# Altium PCB PCB1.PcbDoc (part 1 of 2) (continued)
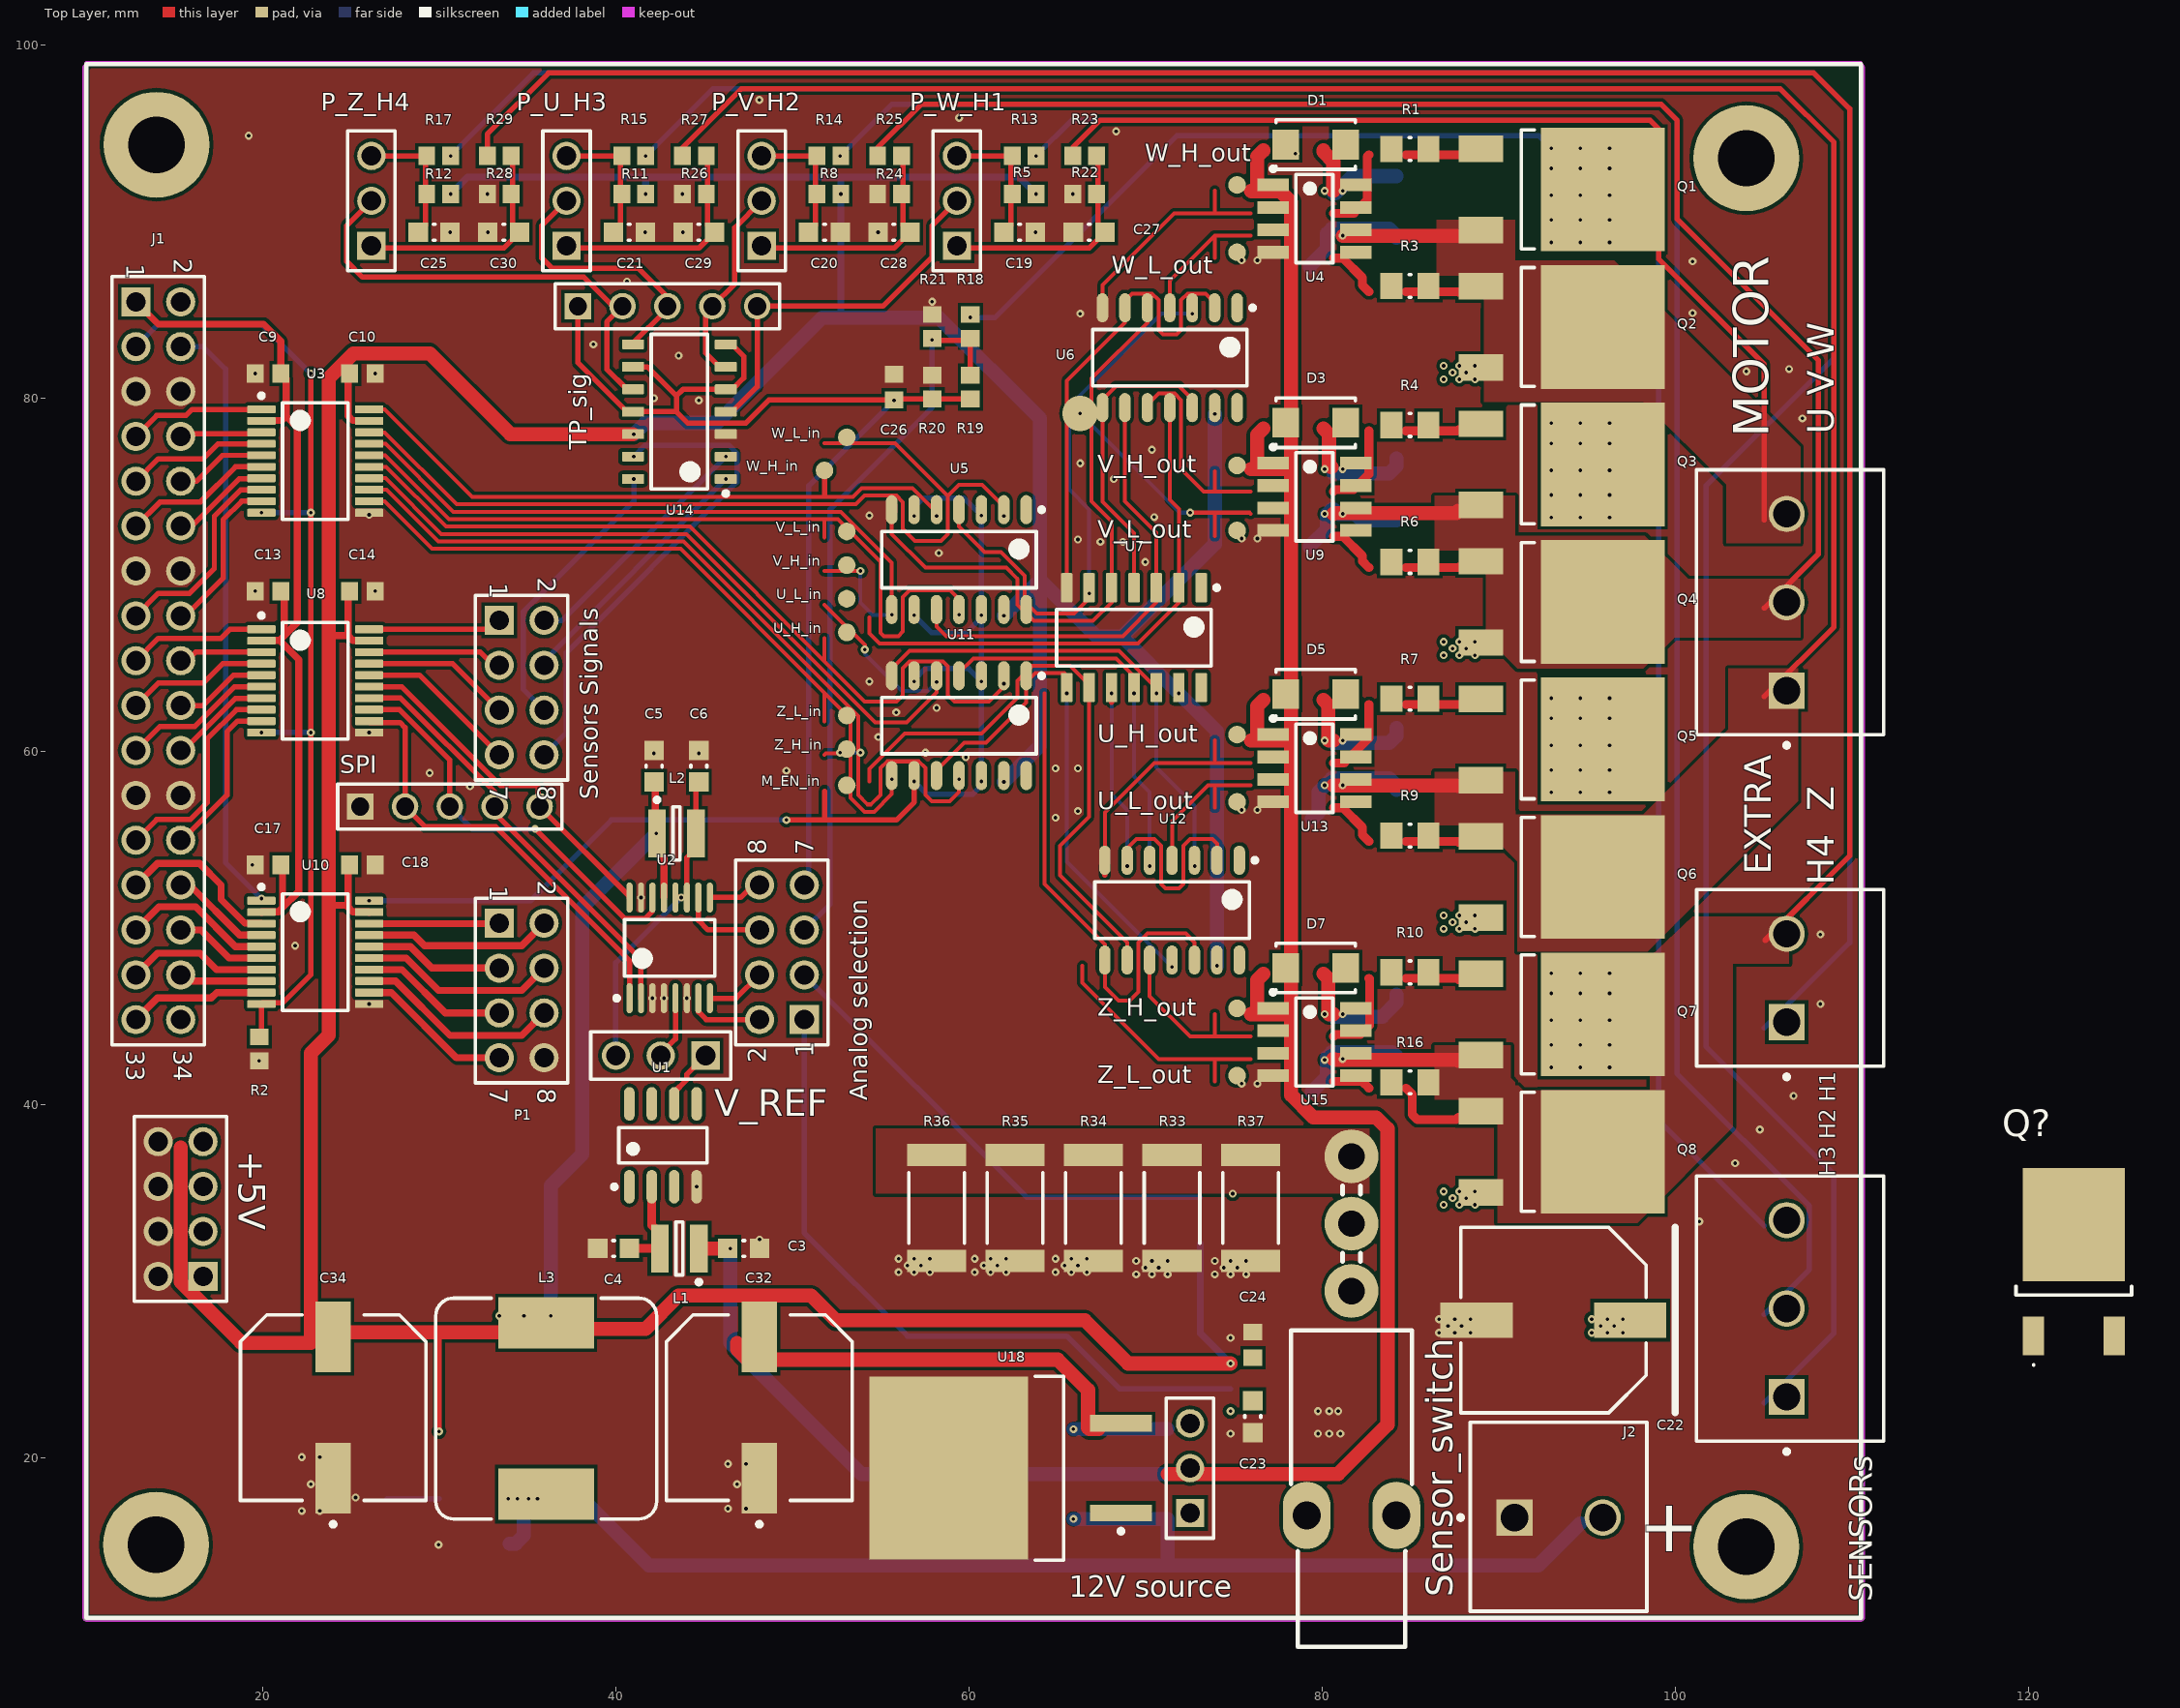
[diagram p0: Top Layer view]
## Components (designator, comment, footprint, x,y, rotation, side; value= is the part's Value field where it differs from the comment) (continued)
SPI "PH2541-5-SPGRH-6-3" PH2541-5-SPGRH-6-3_V 25.527,56.896 r0 top
TP_sig "PH2541-5-SPGRH-6-3" PH2541-5-SPGRH-6-3_V 37.846,85.217 r0 top
U1 "ADR02ARZ-REEL7" ADI-R-8_L 42.672,37.719 r90 top
U2 "AD7323BRUZ" RU-16_N 43.053,48.895 r90 top
U3 "TXS0108EPWR" PW0020A_M 22.987,76.454 r0 top
U4 "IR2101STRPBF" INTR-SOIC-8_V 79.55,90.178 r0 top
U5 "SN74AC08DR" D0014A_M#1 59.43,70.874 r270 top
U6 "SN74AC08DR" D0014A_M#1 71.368,82.304 r270 top
U7 "SN74AC86DR" D0014A_M#2 69.336,66.46 r270 top
U8 "TXS0108EPWR" PW0020A_M 22.987,64.008 r0 top
U9 "IR2101STRPBF" INTR-SOIC-8_V 79.55,74.43 r0 top
U10 "TXS0108EPWR" PW0020A_M 22.987,48.641 r0 top
U11 "SN74AC08DR" D0014A_M#1 59.43,61.476 r270 top
U12 "SN74AC08DR" D0014A_M#1 71.495,51.031 r270 top
U13 "IR2101STRPBF" INTR-SOIC-8_V 79.55,59.063 r0 top
U14 "LM339M/NOPB" D0014A_L 43.603,79.248 r180 top
U15 "IR2101STRPBF" INTR-SOIC-8_V 79.55,43.569 r0 top
U16 "ACS712ELCTR-05B-T" ALEG-LC-8_V 78.861,23.63 r270 bottom
U17 "INA1x9" DIOD-SOT23-5_V 75.305,33.79 r270 bottom
U18 "L7812ABD2T-TR" TO-263_L 62.351,19.439 r180 top
U19 "LM2672M-5.0/NOPB" M08A_N 33.649,19.947 r0 bottom
U_H_in "TP-SM-C-100" TP-SM-C-100 53.08,66.752 r90 top
U_H_out "TP-SM-C-100" TP-SM-C-100 75.178,60.968 r90 top
U_L_in "TP-SM-C-100" TP-SM-C-100 53.08,68.657 r90 top
U_L_out "TP-SM-C-100" TP-SM-C-100 75.178,57.158 r90 top
V_H_in "TP-SM-C-100" TP-SM-C-100 53.08,70.562 r90 top
V_H_out "TP-SM-C-100" TP-SM-C-100 75.178,76.208 r90 top
V_L_in "TP-SM-C-100" TP-SM-C-100 53.08,72.467 r90 top
V_L_out "TP-SM-C-100" TP-SM-C-100 75.178,72.525 r90 top
V_REF "61300311121" 61300311121 42.545,42.799 r180 top
W_H_in "TP-SM-C-100" TP-SM-C-100 51.816,75.922 r90 top
W_H_out "TP-SM-C-100" TP-SM-C-100 75.178,92.083 r0 top
W_L_in "TP-SM-C-100" TP-SM-C-100 53.08,77.801 r90 top
W_L_out "TP-SM-C-100" TP-SM-C-100 75.178,88.273 r90 top
Z_H_in "TP-SM-C-100" TP-SM-C-100 53.08,60.148 r90 top
Z_H_out "TP-SM-C-100" TP-SM-C-100 75.178,45.474 r90 top
Z_L_in "TP-SM-C-100" TP-SM-C-100 53.08,62.053 r90 top
Z_L_out "TP-SM-C-100" TP-SM-C-100 75.178,41.664 r90 top

## Footprints (in the part's own frame and the unit in brackets; to place one, negate y for a bottom-side part, rotate by r counter-clockwise, add the part's x,y. Pads: shape width x height; smd on the part's side, far side on the other; paste and mask are expansions set on the pad)
61300311121 [mm] "Pin Header, pitch 2.54 mm, THT, Vertical, single row, 3p"
  rect 1.6x1.6 hole 1.1: 1(-2.54,0)
  round 1.6 hole 1.1: 2(0,0) 3(2.54,0)
  silkscreen extent -3.96,-1.35 3.96,1.35, body extent -3.81,-1.27 3.81,1.27, height 8.57
61300821121 [mm] "Pin Header, pitch 2.54 mm, THT, Vertical, dual row, 8p"
  rect 1.65x1.65 hole 1.1: 1(-3.81,-1.27)
  round 1.65 hole 1.1: 2(-3.81,1.27) 3(-1.27,-1.27) 4(-1.27,1.27) 5(1.27,-1.27) 6(1.27,1.27) 7(3.81,-1.27) 8(3.81,1.27)
  silkscreen extent -5.23,-2.62 5.23,2.62, body extent -5.08,-2.54 5.08,2.54, height 8.59
61303421121 [mm] "Pin Header, pitch 2.54 mm, THT, Vertical, dual row, 34p"
  rect 1.65x1.65 hole 1.1: 1(-20.32,-1.27)
  round 1.65 hole 1.1: 2(-20.32,1.27) 3(-17.78,-1.27) 4(-17.78,1.27) 5(-15.24,-1.27) 6(-15.24,1.27) 7(-12.7,-1.27) 8(-12.7,1.27) 9(-10.16,-1.27) 10(-10.16,1.27) 11(-7.62,-1.27) 12(-7.62,1.27) 13(-5.08,-1.27) 14(-5.08,1.27) 15(-2.54,-1.27) 16(-2.54,1.27) 17(0,-1.27) 18(0,1.27) 19(2.54,-1.27) 20(2.54,1.27) 21(5.08,-1.27) 22(5.08,1.27) 23(7.62,-1.27) 24(7.62,1.27) 25(10.16,-1.27) 26(10.16,1.27) 27(12.7,-1.27) 28(12.7,1.27) 29(15.24,-1.27) 30(15.24,1.27) 31(17.78,-1.27) 32(17.78,1.27) 33(20.32,-1.27) 34(20.32,1.27)
  silkscreen extent -21.74,-2.62 21.74,2.62, body extent -21.59,-2.54 21.59,2.54, height 8.59
ADI-R-8_L [mm] "SOIC, 8-Leads, Body 4.9x3.9mm, Pitch 1.27mm, IPC High Density"
  oval 1.9x0.6 smd: 1(-2.35,1.905) 2(-2.35,0.635) 3(-2.35,-0.635) 4(-2.35,-1.905) 5(2.35,-1.905) 6(2.35,-0.635) 7(2.35,0.635) 8(2.35,1.905)
  silkscreen extent -2.47,-2.5 1,2.88, body extent -2,-2.5 2,2.5, height 1.75
ALEG-LC-8_V [mm] "SOIC, 8-Leads, Body 4.9x3.9mm, Pitch 1.27mm"
  rect 0.65x1.75 smd: 1(-1.905,-2.8) 2(-0.635,-2.8) 3(0.635,-2.8) 4(1.905,-2.8) 5(1.905,2.8) 6(0.635,2.8) 7(-0.635,2.8) 8(-1.905,2.8)
  silkscreen extent -2.9,-2.93 2.45,1.53, body extent -2.45,-1.95 2.45,1.95, height 1.75
BOUR-SRN3015-2_V [mm] "SMD, 2-Leads, Body 3x3mm, Height 1.5mm"
  rect 1x2.7 smd: 1(-1.1,0) 2(1.1,0)
  silkscreen extent -1.23,-1.5 0.2,2.02, body extent -1.5,-1.5 1.5,1.5, height 1.5
BOUR-SRR1280-2_V [mm] "SMD, 2-Leads, Body 12.5x12.5mm"
  rect 2.9x5.4 smd: 1(-4.85,0) 2(4.85,0)
  silkscreen extent -6.25,-6.25 6.25,6.25, body extent -6.25,-6.25 6.25,6.25, height 7.51
CAPC0603(1608)55_M [mm] "Chip Capacitor, Body 1.6x0.8mm, Height 0.55mm, IPC Low Density"
  rect 1.1x1.1 smd: 1(-0.9,0) 2(0.9,0)
  silkscreen extent -0.05,-0.45 0.05,0.45, body extent -0.87,-0.47 0.88,0.48, height 0.55
CAPC0603(1608)100_M [mm] "Chip Capacitor, Body 1.6x0.8mm, Height 1.0mm, IPC Low Density"
  rect 1.1x1.1 smd: 1(-0.9,0) 2(0.9,0)
  silkscreen extent -0.05,-0.45 0.05,0.45, body extent -0.87,-0.47 0.88,0.48, height 1
CAPC0805(2012)145_M [mm] "Chip Capacitor, Body 2.0x1.2mm, Height 1.45mm, IPC Low Density"
  rect 1.35x1.55 smd: 1(-1,0) 2(1,0)
  silkscreen extent -0.05,-0.67 0.05,0.67, body extent -1.1,-0.72 1.1,0.72, height 1.45
CAPC1608X90X35ML10T15 [mm] "Chip Capacitor, 2-Leads, Body 1.7x0.9mm, IPC Low Density"
  rect 0.95x1.05 smd: 1(-0.725,0) 2(0.725,0)
  body extent -0.85,-0.45 0.85,0.45, height 0.9
CXKF-KF129C-2_V [mm] "Terminal Block, Pitch 5mm, 1x2 Position, Height 19.2mm, Tail Length 3.5mm"
  rect 2.05x2.05 hole 1.55: 1(0,0)
  round 2.05 hole 1.55: 2(5,0)
  silkscreen extent -3.17,-5.3 7.5,5.4, body extent -2.5,-5.3 7.5,5.4, height 19.2
D0014A_L [mm] "SOIC, 14-Leads, Body 8.75x4mm, Pitch 1.27mm, IPC High Density"
  rrect18% 1.25x0.55 smd: 1(-2.625,3.81) 2(-2.625,2.54) 3(-2.625,1.27) 4(-2.625,0) 5(-2.625,-1.27) 6(-2.625,-2.54) 7(-2.625,-3.81) 8(2.625,-3.81) 9(2.625,-2.54) 10(2.625,-1.27) 11(2.625,0) 12(2.625,1.27) 13(2.625,2.54) 14(2.625,3.81)
  silkscreen extent -2.75,-4.38 1.6,4.76, body extent -3.02,-4.32 3.02,4.32, height 1.59
D0014A_M#1 [mm] "SOIC, 14-Leads, Body 8.75x4mm, Pitch 1.27mm, IPC Low Density"
  oval 1.65x0.65 smd: 1(-2.825,3.81) 2(-2.825,2.54) 3(-2.825,1.27) 4(-2.825,0) 5(-2.825,-1.27) 6(-2.825,-2.54) 7(-2.825,-3.81) 8(2.825,-3.81) 9(2.825,-2.54) 10(2.825,-1.27) 11(2.825,0) 12(2.825,1.27) 13(2.825,2.54) 14(2.825,3.81)
  silkscreen extent -2.95,-4.38 1.6,4.81, body extent -3.02,-4.32 3.02,4.32, height 1.59
D0014A_M#2 [mm] "SOIC, 14-Leads, Body 8.75x4mm, Pitch 1.27mm, IPC Low Density"
  rrect15% 1.65x0.65 smd: 1(-2.825,3.81) 2(-2.825,2.54) 3(-2.825,1.27) 4(-2.825,0) 5(-2.825,-1.27) 6(-2.825,-2.54) 7(-2.825,-3.81) 8(2.825,-3.81) 9(2.825,-2.54) 10(2.825,-1.27) 11(2.825,0) 12(2.825,1.27) 13(2.825,2.54) 14(2.825,3.81)
  silkscreen extent -2.95,-4.38 1.6,4.81, body extent -3.02,-4.32 3.02,4.32, height 1.59
DIOD-SMA-2_V [mm] "Molded Diode, 2-Leads, Body 4.6x2.92mm"
  rect 2.5x1.7 smd: 1(-2,0) 2(2,0)
  silkscreen extent -2.3,-1.5 3.75,1.5, body extent -2.52,-1.46 2.52,1.46, height 2.4
DIOD-SOT23-5_V [mm] "SOT23, 5-Leads, Body 3.1x1.7mm, Pitch 0.95mm"
  rect 1x0.7 smd: 1(-1.3,0.95) 2(-1.3,0) 3(-1.3,-0.95) 4(1.3,-0.95) 5(1.3,0.95)
  silkscreen extent -1.42,-1.55 0.4,1.97, body extent -1.5,-1.55 1.5,1.55, height 1.45
FP-C1206C-EB-IPC_A [mm]
  rect 1.505x1.906 smd paste+0 mask+0: 1(-1.501,0) 2(1.501,0)
  silkscreen extent -0.37,-0.8 0.37,0.8, body extent -1.6,-0.8 1.6,0.8, height 0.88
FP-PCR1J101MCL1GS-MFG [mm]
  rect 4x2 smd paste+0 mask+0: 1(-4,0) 2(4,0)
  silkscreen extent -6.72,-5.25 5.25,5.25, body extent -6.25,-5.5 6.25,5.5, height 0.25
FP-PG-TO252-3-MFG [mm]
  rect 1.5x2.5 smd paste+0 mask+0: 1(-2.3,-4.575) 3(2.3,-4.575)
  rect 7x7 smd paste+0 mask+0: 4(0,2.325)
  silkscreen extent -3.36,-2.28 3.36,-1.55, body extent -3.6,-5.92 3.6,5.92, height 0.25
INTR-SOIC-8_V [mm]
  rect 1.78x0.72 smd: 1(-2.34,1.905) 2(-2.34,0.635) 3(-2.34,-0.635) 4(-2.34,-1.905) 5(2.34,-1.905) 6(2.34,-0.635) 7(2.34,0.635) 8(2.34,1.905)
  silkscreen extent -2.46,-2.5 1.05,2.94, body extent -3,-2.5 3,2.5, height 1.75
IRLR2705PBF [mm]
  rect 1.2x2.2 smd: 1(-2.28,-4.2) 3(2.28,-4.2)
  rect 5.8x6.4 smd: 2(0,2.1)
  silkscreen extent -3.27,-5.89 3.27,-1.39
M08A_N [mm] "SOIC, 8-Leads, Body 4.9x3.9mm, Pitch 1.27mm, IPC Medium Density"
  oval 2.2x0.6 smd: 1(-2.4,1.905) 2(-2.4,0.635) 3(-2.4,-0.635) 4(-2.4,-1.905) 5(2.4,-1.905) 6(2.4,-0.635) 7(2.4,0.635) 8(2.4,1.905)
  silkscreen extent -2.52,-2.5 0.9,2.88, body extent -2,-2.5 2,2.5, height 1.75
PH2541-5-SPGRH-6-3_V [mm] "Male Header, Pitch 2.54mm, 5x1 Position, Mated Height 6mm, Tail Length 3mm"
  rect 1.5x1.5 hole 1.02: 1(0,0)
  round 1.5 hole 1.02: 2(2.54,0) 3(5.08,0) 4(7.62,0) 5(10.16,0)
  silkscreen extent -1.27,-1.27 11.43,1.27, body extent -1.27,-1.24 11.43,1.27, height 8.35
PNSC-FP-V-G_V [mm] "CAPAE, 2-Leads, Body 10.50x10.50mm"
  rect 4.1x2 smd: 1(-4.35,0) 2(4.35,0)
  silkscreen extent -6.9,-5.25 5.25,5.25, body extent -6,-5.25 6,5.25, height 10.5
PNSC-FT-V-43x43-2_V [mm] "SMD, 2-Leads, Body 4.3x4.3mm, Height 6.1mm"
  rect 1.6x2.5 smd: 1(0,1.75) 2(0,-1.75)
  silkscreen extent -2.15,-2.15 2.15,2.15, body extent -2.15,-2.3 2.15,2.3, height 6.1
PW0020A_M [mm] "SOP, 20-Leads, Body 6.6x4.5mm, Pitch 0.65mm, IPC Low Density"
  rrect22% 1.6x0.45 smd: 1(-3.05,2.925) 2(-3.05,2.275) 3(-3.05,1.625) 4(-3.05,0.975) 5(-3.05,0.325) 6(-3.05,-0.325) 7(-3.05,-0.975) 8(-3.05,-1.625) 9(-3.05,-2.275) 10(-3.05,-2.925) 11(3.05,-2.925) 12(3.05,-2.275) 13(3.05,-1.625) 14(3.05,-0.975) 15(3.05,-0.325) 16(3.05,0.325) 17(3.05,0.975) 18(3.05,1.625) 19(3.05,2.275) 20(3.05,2.925)
  silkscreen extent -3.17,-3.3 1.85,3.82, body extent -3.21,-3.25 3.21,3.25, height 1
RESC0805(2012)_M [mm] "Chip Resistor, Body 2.0x1.3mm, IPC Low Density"
  rect 1.25x1.5 smd: 1(-1.05,0) 2(1.05,0)
  silkscreen extent -0.05,-0.65 0.05,0.65, body extent -1.1,-0.67 1.1,0.67, height 0.7
RESC1608X55X30ML15T20 [mm] "Chip Resistor, 2-Leads, Body 1.7x0.95mm, IPC Low Density"
  rect 0.95x1.05 smd: 1(-0.675,0) 2(0.675,0)
  body extent -0.85,-0.48 0.85,0.48, height 0.55
RESC2512(6432)_N [mm] "Chip Resistor, Body 6.4x3.2mm, IPC Medium Density"
  rect 1.25x3.35 smd: 1(-3,0) 2(3,0)
  silkscreen extent -2,-1.57 2,1.58, body extent -3.25,-1.7 3.25,1.7, height 0.75
RU-16_N [mm] "TSOP, 16-Leads, Body 5x4.4mm, Pitch 0.65mm, IPC Medium Density"
  oval 1.7x0.35 smd: 1(-2.85,2.275) 2(-2.85,1.625) 3(-2.85,0.975) 4(-2.85,0.325) 5(-2.85,-0.325) 6(-2.85,-0.975) 7(-2.85,-1.625) 8(-2.85,-2.275) 9(2.85,-2.275) 10(2.85,-1.625) 11(2.85,-0.975) 12(2.85,-0.325) 13(2.85,0.325) 14(2.85,0.975) 15(2.85,1.625) 16(2.85,2.275)
  silkscreen extent -2.97,-2.55 1.6,3.12, body extent -2.25,-2.55 2.25,2.55, height 1.2
SALE-T8019L-5_V [mm] "Toggle Switch, 3 Leads, Vertical Right Angle"
  round 3.048 hole 1.5: 1(0,20.142) 2(0,23.952) 3(0,27.762)
  oval 2.7x3.81 hole 1.6: S1(2.54,7.442) S2(-2.54,7.442)
  silkscreen extent -3.43,0 3.43,26.11, body extent -3.5,-8.38 3.5,28.01, height 13
SCREW-5.0-2WAYS_V [mm] "Socket, Screw Terminal Block, 2-Leads, Pitch 5mm, 90 Degree Angle, Through-Hole"
  rect 2.05x2.05 hole 1.55: 1(-2.5,0)
  round 2.05 hole 1.55: 2(2.5,0)
  silkscreen extent -5.72,-5.5 5,5.1, body extent -5,-5.5 5.02,5.1, height 18.2
SCREW-5.0-3WAYS_V [mm] "Socket, Screw Terminal Block, 3-Leads, Pitch 5mm, 90 Degree Angle, Through-Hole"
  rect 2.05x2.05 hole 1.55: 1(-5,0)
  round 2.05 hole 1.55: 2(0,0) 3(5,0)
  silkscreen extent -8.22,-5.5 7.5,5.1, body extent -7.5,-5.5 7.5,5.1, height 18.2
TO-263_L [mm] "D2-PAK, 4-Leads, Body 9.2x10.2mm, Pitch 2.54mm, Lead Span 15.4mm, IPC High Density"
  rect 3.5x0.95 smd: 1(-6.25,2.54) 3(-6.25,-2.54)
  rect 9x10.35 smd: 4(3.5,0)
  silkscreen extent -6.38,-5.2 -1.4,5.2, body extent -3,-5.2 6.35,5.2, height 4.6
TP-SM-C-100 [mm] "Test Point, Surface Mounting, Circular, Pad Diameter 1mm"
  round 1 smd: 1(0,0)
VISH-DO-214AC_V [mm]
  rect 1.52x1.68 smd: 1(-1.7,0) 2(1.7,0)
  silkscreen extent -2.25,-1.4 2.25,1.4, body extent -2.47,-1.4 2.47,1.4, height 2.29

## Part data
"12V source" P_U_H3 P_V_H2 P_W_H1 P_Z_H4 V_REF: library part CMP-1502-01062-1, "THT Vertical Pin Header WR-PHD, Pitch 2.54 mm, Single Row, 3 pins", Contact Resistance=20mOhm, Manufacturer="Wurth Elektronik", Operating Temperature=-40to105degC, Rated Current=3A, Withstanding Voltage=500VAC, Working Voltage=250VAC, Datasheet URL=https://katalog.we-online.de/em/datasheet/6130xx11121.pdf, Gender=Male, Manufacturer URL=http://www.we-online.de, Mounting Technology=THT, Orientation=Vertical, Package Reference=61300311121, Packaging=Bag, Part Number=61300311121, Pin Number=3, Pitch=2.54mm, Publisher=WurthElektronik, Row Number=Single
+5V "Analog selection" P1 "Sensors Signals": library part CMP-1502-01078-1, "THT Vertical Pin Header WR-PHD, Pitch 2.54 mm, Dual Row, 8 pins", Contact Resistance=20mOhm, Manufacturer="Wurth Elektronik", Operating Temperature=-40to105degC, Rated Current=3A, Withstanding Voltage=500VAC, Working Voltage=250VAC, Datasheet URL=https://katalog.we-online.de/em/datasheet/6130xx21121.pdf, Gender=Male, Manufacturer URL=http://www.we-online.de, Mounting Technology=THT, Orientation=Vertical, Package Reference=61300821121, Packaging=Bag, Part Number=61300821121, Pin Number=8, Pitch=2.54mm, Publisher=WurthElektronik, Row Number=Dual
C1 C7 C11 C15: library part CMP-0744-00004-1, "Aluminum Electrolytic Capacitor, 22 uF +/- 20%, 25 V, -55 to 105 degC, 2-Pin 4.3 x 4.3 x 6.1 mm SMD, RoHS, Tape and Reel", Capacitance="22 uF", Capacitance Tolerance="+/- 20%", Manufacturer=Panasonic, Rated Voltage="25 V", Ripple Current="160 mA", Temp. Range="-55 to 105 degC", ComponentLink1Description="Manufacturer URL", ComponentLink1URL=http://www.panasonic.com/industrial/electronic-components/, ComponentLink2Description=Datasheet, ComponentLink2URL=http://industrial.panasonic.com/www-data/pdf/ABA0000/ABA0000CE135.pdf, ComponentLink3Description="Package Specification", ComponentLink3URL=http://industrial.panasonic.com/www-data/pdf/ABA0000/ABA0000PE248.pdf, DatasheetVersion=Mar-14, Mounting Technology="Surface Mount", PackageDescription="2-Pin SMD, Body 4.3 x 4.3 mm, Height 6.1 mm", PackageReference=FT-V-43x43-2, PackageVersion=Feb-14, Packing="Tape and Reel", PartNumber=EEE-FT1E220AR, RoHS=TRUE
C2 C8 C12 C16: library part CMP-1036-04761-1, "CAP 1uF 50V ±10% 0805 (2012 Metric) Thickness 1.45mm SMD", Case-EIA=0805, Case-Metric=2012, Rated Voltage="50 V", Tolerance=±10%, Max Thickness="1.45 mm", Technology=SMT
C3 C5: library part CMP-1035-02786-1, "CAP 4.7uF 10V ±20% 0603 (1608 Metric) Thickness 0.55mm SMD", Case-EIA=0603, Case-Metric=1608, Rated Voltage="10 V", Tolerance=±20%, Max Thickness="0.55 mm", Technology=SMT
C4 C6: library part CMP-1035-02581-1, "CAP 100nF 10V ±20% 0603 (1608 Metric) Thickness 1mm SMD", Case-EIA=0603, Case-Metric=1608, Rated Voltage="10 V", Tolerance=±20%, Max Thickness="1 mm", Technology=SMT
C9 C10 C13 C14 C17 C18 C24 C26: library part CMP-2100-03643-1, "Chip Capacitor, 0.1 uF, +/- 10%, 50 V, -55 to 125 degC, 0603 (1608 Metric), RoHS, Tape and Reel", Capacitance=100nF, Case/Package=0603, Case Code (Metric)=1608, Dielectric=X7R, Dielectric Material=Ceramic, Insulation Resistance=10GR, Manufacturer=Murata, Max Operating Temperature=125degC, Min Operating Temperature=-55degC, Package Description="2-Pin Surface Mount Device, Body 1.6 x 0.8 mm", Package Quantity=1, Tolerance=10%, Voltage=50V, Case Code (Imperial)=0603, Contact Plating=Tin, Datasheet URL=http://psearch.en.murata.com/capacitor/product/GRM188R71H104KA93%23.pdf, Datasheet Version=42675.0, Depth=0.8mm, Height=0.8mm, Lead Free=LeadFree, Length=1.6mm, Manufacturer URL=http://www.murata.com/, Material=Ceramic, Mount=SurfaceMount, Number of Pins=2, Package Reference=0603, Packaging=TapeandReel, Radiation Hardening=No, REACH SVHC=NoSVHC, RoHSCompliant=true, Termination=SMD/SMT, Thickness=0.035inch, Voltage Rating=50V, Voltage Rating (DC)=50V, Width=0.8mm
C19 C20 C21 C25 C27 C28 C29 C30: library part CMP-1035-01670-1, "CAP 470pF 25V ±5% 0603 (1608 Metric) Thickness 1mm SMD", Case-EIA=0603, Case-Metric=1608, Rated Voltage="25 V", Tolerance=±5%, Max Thickness="1 mm", Technology=SMT
C22: library part CMP-2000-06214-1, "Aluminum Electrolytic Capacitor, 470 uF, +/- 20%, 25 V, 2-Pin SMD (Size Code G), -55 to 105 degC, RoHS, Tape and Reel", Capacitance=470µF, Case Size/Dimension=Ø10x10.2mm, ESR (Equivalent Series Resistance)=0.06O, Lifetime@Temperature=2000Hrs@105°C, Manufacturer=Panasonic, Operating Temp Range=-55to+105°C, Operating Temp-Max=105°C, Package Description="2-Pin Electrolytic Aluminum Capacitor, Body 10.3 x 10.3 mm", Package Reference=FP-V-G, Rated Voltage=25V, Ripple Current=1190mA, Datasheet URL=http://industrial.panasonic.com/cdbs/www-data/pdf/RDE0000/ABA0000C1184.pdf, Datasheet Version=03/2016, Manufacturer URL=http://www.panasonic.com/, Mounting Technology=SurfaceMount, Package URL=http://industrial.panasonic.com/cdbs/www-data/pdf/RDE0000/DME0000COL48.pdf, Series=FP, Type=Can
C23 C35: library part CMP-1035-01877-1, "CAP 1nF 16V ±2% 0603 (1608 Metric) Thickness 1mm SMD", Case-EIA=0603, Case-Metric=1608, Rated Voltage="16 V", Tolerance=±2%, Max Thickness="1 mm", Technology=SMT
C31: library part CMP-03020-000898-1, "CAP CER 0.33UF 25V Y5V 1206", Capacitance="0.33 uF", Manufacturer=KEMET, Package=C1206C-EB, Temperature="-55°C to +150°C", Temperature Characteristic=Y5V, Temperature Coefficient=15%, Temperature Range High=+150°C, Temperature Range Low=-55°C, Tolerance=0.2, Voltage Rating="25 V", Automotive=Yes, Automotive Grade="Grade 0", Category=Cap, ComponentLink2Description=Datasheet, ComponentLink2URL=https://content.kemet.com/datasheets/KEM_C1007_X8R_ULTRA_150C_SMD.pdf, Device Class L1="Passive Components", Device Class L2=Capacitors, Device Class L3="Ceramic Capacitors", Digikey Description="CAP CER 0.33UF 25V Y5V 1206", Height=0.88mm, Ipc Land Pattern Name=CAPC320160X78, Lead Free=Yes, Manufacturer Part Number=C1206C334M3VACTU, Material=Ceramic, Mouser Description="Multilayer Ceramic Capacitors MLCC - SMD/SMT 25volts 0.33uF Y5V 20%", Octopart=https://octopart.com/c1206c334m3vactu-kemet-9139506, RoHS=TRUE
C32: library part CMP-12462-000005-1, "CAP ALUM POLY 100UF 20% 63V SMD", Capacitance=100uF, Leakage Current=189uA, Manufacturer=Nichicon, Package=0, Ripple Current=3000mA, Temperature="-55°C to +125°C", Temperature Range High=+125°C, Temperature Range Low=-55°C, Tolerance=20%, Voltage Rating=63V, Automotive=Yes, Automotive Grade="Grade 1", Category=Cap, ComponentLink2Description=Datasheet, ComponentLink2URL=https://www.nichicon.co.jp/english/products/pdfs/e-pcr.pdf, Device Class L1="Passive Components", Device Class L2=Capacitors, Device Class L3="Aluminum Electrolytic Capacitors", Digikey Description="CAP ALUM POLY 100UF 20% 63V SMD", Dissipation Factor=8%, ESR=24mΩ, Footprint Url=https://www.nichicon.co.jp/english/products/pdfs/e-p_ref.pdf, Height=12.7mm, Lead Free=Yes, Life=4000Hours, Manufacturer Part Number=PCR1J101MCL1GS, Material=Aluminum, Octopart=https://octopart.com/pcr1j101mcl1gs-nichicon-34508535, RoHS=TRUE
C33: library part CMP-03020-000666-1, "CAP CER 0.1UF 250V X7R 1206", Capacitance="0.10 uF", Manufacturer=KEMET, Package=C1206C-EB, Temperature="-55°C to +150°C", Temperature Characteristic=X7R, Temperature Coefficient=15%, Temperature Range High=+150°C, Temperature Range Low=-55°C, Tolerance=0.1, Voltage Rating="250 V", Automotive=Yes, Automotive Grade="Grade 0", Category=Cap, ComponentLink2Description=Datasheet, ComponentLink2URL=https://content.kemet.com/datasheets/KEM_C1007_X8R_ULTRA_150C_SMD.pdf, Device Class L1="Passive Components", Device Class L2=Capacitors, Device Class L3="Ceramic Capacitors", Digikey Description="CAP CER 0.1UF 250V X7R 1206", Height=0.88mm, Ipc Land Pattern Name=CAPC320160X78, Lead Free=Yes, Manufacturer Part Number=C1206C104KARACTU, Material=Ceramic, Mouser Description="Multilayer Ceramic Capacitors MLCC - SMD/SMT 250volts 0.1uF X7R 10%", Octopart=https://octopart.com/c1206c104karactu-kemet-193627, RoHS=TRUE
C34: library part CMP-12462-000005-1, "CAP ALUM POLY 100UF 20% 63V SMD", Capacitance=68uF, Leakage Current=189uA, Manufacturer=Nichicon, Package=0, Ripple Current=3000mA, Temperature="-55°C to +125°C", Temperature Range High=+125°C, Temperature Range Low=-55°C, Tolerance=20%, Voltage Rating=63V, Automotive=Yes, Automotive Grade="Grade 1", Category=Cap, ComponentLink2Description=Datasheet, ComponentLink2URL=https://www.nichicon.co.jp/english/products/pdfs/e-pcr.pdf, Device Class L1="Passive Components", Device Class L2=Capacitors, Device Class L3="Aluminum Electrolytic Capacitors", Digikey Description="CAP ALUM POLY 100UF 20% 63V SMD", Dissipation Factor=8%, ESR=24mΩ, Footprint Url=https://www.nichicon.co.jp/english/products/pdfs/e-p_ref.pdf, Height=12.7mm, Lead Free=Yes, Life=4000Hours, Manufacturer Part Number=PCR1J101MCL1GS, Material=Aluminum, Octopart=https://octopart.com/pcr1j101mcl1gs-nichicon-34508535, RoHS=TRUE
D1 D2 D3 D4 D5 D6 D7 D8: library part CMP-1666-00011-1, "DIODE GPP 1A 400V SMA", PartNumber=S1G-E3/61T, ComponentLink1Description=Datasheet, ComponentLink1URL=http://www.vishay.com/docs/88711/s1.pdf, PackageReference=DO-214AC
D9: library part CMP-1667-00003-1, "Surface Mount Schottky Barrier Rectifier, 40 V, 3 A, -55 to 150 degC, 2-Pin SMA, RoHS, Tape and Reel", Case\Package=SMA, Forward Current="3 A", Forward Voltage="500 mV", Max Operating Temperature="125 degC", Max Surge Current="80 A", Min Operating Temperature="-55 degC", Package Quantity=5000, Peak Reverse Current="500 uA", ComponentLink1Description="Manufacturer URL", ComponentLink1URL=http://www.diodes.com/, ComponentLink2Description=Datasheet, ComponentLink2URL=http://www.diodes.com/_files/datasheets/ds30891.pdf, DatasheetVersion="Rev. 17 - 2, 09/2015", Elements=1, Height="2.1 mm", Length="4.6 mm", Mount="Surface Mount", Mounting Technology="Surface Mount", PackageDescription="2-Pin Surface Mounted Assembly, Body 4.3 x 2.605 mm, Height 2.4 mm", PackageReference=SMA-2, Packaging="Tape and Reel", Pins=2, Radiation Hardening=No, REACH SVHC="No SVHC", RoHSCompliant=true, Width="2.92 mm"
EXTRA: library part CMP-0617-00009-1, "Socket, Screw Terminal Block, 2 Way, 5.0 mm Pitch, 90 Degree Angle, Through-Hole", Contact Resistance="20 mOhm", Insulation Resistance="5000 MOhm / 1000 V", Manufacturer="No Vendor", Rated Current="25 A", Rated Voltage="300 V", Temperature Range="-40 to 105 degC", ComponentLink1Description=Datasheet, ComponentLink1URL="5mm screw terminal in SVN", Mounting Technology="Through Hole", PackageDescription="Socket, Screw Terminal Block, 2 Way, Pitch 5 mm, 90 Degree Angle, Through-Hole", PartNumber="SCREW-5.0/5.08 2WAYS", Poles=2
J1: library part CMP-1502-01127-1, "THT Vertical Pin Header WR-PHD, Pitch 2.54 mm, Dual Row, 34 pins", Contact Resistance=20mOhm, Manufacturer="Wurth Elektronik", Operating Temperature=-40to105degC, Rated Current=3A, Withstanding Voltage=500VAC, Working Voltage=250VAC, Datasheet URL=https://katalog.we-online.de/em/datasheet/6130xx21121.pdf, Gender=Male, Manufacturer URL=http://www.we-online.de, Mounting Technology=THT, Orientation=Vertical, Package Reference=61303421121, Packaging=Bag, Part Number=61303421121, Pin Number=34, Pitch=2.54mm, Publisher=WurthElektronik, Row Number=Dual
J2: library part CMP-0813-00004-1, "Euro Terminal Block, 20 A, 300 V, -40 to 105 degC, Pitch 5 mm, 1 x 2 Position, Height 19.2 mm, Tail Length 3.5 mm", Color=Green, Contact Resistance="20 mOhm", Insulation Resistance="5000 MOhm / 1000 V", Manufacturer="Cixi KaiFeng", PartNumber=KF129C-02P-14, Rated Current="20 A", Rated Voltage="300 V", Temp. Range="-40 to 105 degC", Withstanding Voltage="AC 1500 V / 1 Min", ComponentLink1Description="Manufacturer URL", ComponentLink1URL=http://www.nb-kaifeng.com/, ComponentLink2Description=Datasheet, ComponentLink2URL=http://www.nb-kaifeng.com/upload/editor/ext_pdf/201208170644598657.pdf, Contact=Brass, Mounting Technology="Through Hole", No. of Pole=2, PackageDescription="Terminal Block, Pitch 5 mm, 1 x 2 Position, Height 19.2 mm, Tail Length 3.5 mm", PackageReference=KF129C-2, Pitch="Single Pitch"
L1 L2: library part CMP-0007-00009-1, "Semi-shielded Power Inductor, 100 uH, +/- 20%, 0.29 A, -40 to 125 degC, 3 x 3 x 1.5 mm SMD, RoHS and Halogen Free, Tape and Reel", Inductance="100 uH", Inductance tolerance="+/- 20%", Manufacturer=Bourns, Operating Temperature="-40 to 125 degC", PartNumber=SRN3015-101M, Rated Current="0.29 A", Resistance to Solder Heat="+260 degC for 10 sec.", Comment_1=LQH32MN101J, ComponentLink1Description="Manufacturer URL", ComponentLink1URL=http://www.bourns.com/, ComponentLink2Description=Datasheet, ComponentLink2URL=http://www.bourns.com/data/global/pdfs/SRN3015.pdf, ComponentLink3Description="Package Specification", ComponentLink3URL=http://www.bourns.com/data/global/pdfs/SRN3015.pdf, DatasheetVersion=Aug-11, DCR Max="2.92 Ohm", Isat="0.27 A", Mounting Technology="Surface Mount", PackageDescription="2-Pin SMD, Body 3 x 3 mm, Height 1.5 mm", PackageReference=SRN3015, Packing="Tape and Reel", RoHS=TRUE, SRF Min="11 MHz"
L3: library part CMP-2000-07147-1, "Semi-Shielded Power Inductor, 100 uH, +/- 20%, 2.1 A, -40 to 125 degC, 2-Pin SMD, RoHS, Tape and Reel", Current - Saturation=2A, Current Rating=2.1A, DC Resistance (DCR)=150mOhmMax, Frequency - Self Resonant=4.5MHz, Frequency - Test=100kHz, Inductance=100µH, Manufacturer=Bourns, Operating Temperature=-40°C~125°C, Package / Case=Nonstandard, Package Description="2-Pin Surface Mount Device, Body 12.5 x 12.5 mm", Package Reference=SRR1280-2, Q @ Freq=18@796kHz, Standard Package=400, Tolerance=±20%, 3D Model=SRR1208.stp, Category=Inductors,Coils,Chokes, Datasheet URL=http://www.bourns.com/pdfs/SRR1280.pdf, Datasheet Version=03/2015, EDA / CAD Models=DownloadfromAcceleratedDesigns, Family=FixedInductors, Manufacturer URL=http://www.bourns.com/, Material - Core=Ferrite, Mounting Technology=SurfaceMount, Mounting Type=SurfaceMount, Online Catalog=SRRSeries, Other Names="SRR1280-101MTR / SRR1280101M", Package URL=http://www.bourns.com/docs/Product-Datasheets/SRR1280.pdf, Packaging=Tape&Reel(TR), PCN Assembly/Origin=MagneticproductsOct/2013, PCN Design/Specification=SRR12(6,8,1)0,PM12(5,7)SHModels17/Aug/2011, Product Training Modules=MagneticProductOverview, RoHS Information=SRR1280SeriesMaterialDeclaration, Series=SRR1280, Shielding=Shielded, Type=Wirewound
M_EN_in U_H_in U_H_out U_L_in U_L_out V_H_in V_H_out V_L_in V_L_out W_H_in W_H_out W_L_in W_L_out Z_H_in Z_H_out Z_L_in Z_L_out: library part CMP-0484-00002-2, "Test Point, Surface Mount, Circular, Pad Diameter 1 mm", Manufacturer="No Vendor", PartNumber=TP-SM-C-100
MOTOR SENSORs: library part CMP-0617-00010-1, "Socket, Screw Terminal Block, 3 Way, 5.0 mm Pitch, 90 Degree Angle, Through-Hole", Contact Resistance="20 mOhm", Insulation Resistance="5000 MOhm / 1000 V", Manufacturer="No Vendor", Rated Current="25 A", Rated Voltage="300 V", Temperature Range="-40 to 105 degC", ComponentLink1Description=Datasheet, ComponentLink1URL="5mm screw terminal in SVN", Mounting Technology="Through Hole", PackageDescription="Socket, Screw Terminal Block, 3 Way, Pitch 5 mm, 90 Degree Angle, Through-Hole", PartNumber="SCREW-5.0/5.08 3WAYS", Poles=3
Q1 Q2 Q3 Q4 Q5 Q6 Q7 Q8: library part CMP-32901-000108-1, "MOSFET N-CH 55V 44A DPAK", Continuous Drain Current=44A, Drain To Source Breakdown Voltage=55V, Drain To Source Resistance=0.027Ω, Gate To Source Voltage=20V, Input Capacitace At Vds="1300pF @ 25V", Manufacturer=Infineon, Manufacturer Part Number=IRFR1205TRPBF, Max Forward Diode Voltage=1.3V, Max Junction Temp=+175°C, Package=PG-TO252-3, Power Dissipation=107W, Pulse Drain Current=160A, Temperature="-55°C to +175°C", Temperature Range Low=-55°C, Automotive=No, Category=Trans, ComponentLink2Description=Datasheet, ComponentLink2URL=https://www.infineon.com/dgdl/irfr1205pbf.pdf?fileId=5546d462533600a40153562d17792047, Depletion Mode=False, Device Class L1="Discrete Semiconductors", Device Class L2=Transistors, Device Class L3=MOSFETs, Digikey Description="MOSFET N-CH 55V 44A DPAK", Drain To Source Voltage=55V, Footprint Url=https://www.infineon.com/cms/en/product/packages/PG-TO252/PG-TO252-3-901/, Gate Charge At Vgs="65nC @ 10V", Height=2.52mm, Lead Free=Yes, Number of Channels=1, Number Of N Channels=1, Octopart=https://octopart.com/irfr1205trpbf-infineon-65874068, Reverse Recovery Charge=160nC, Reverse Recovery Time=65ns, RoHS=TRUE, Rthja Max=50°C/W, Temperature Range High=+175°C, Threshold Vgs Max=4V, Threshold Vgs Min=2V, Transconductance=17S, Turn Off Delay Time=47ns, Turn On Delay Time=7.3ns
Q?: "MOSFET (N-Channel)", Manufacturer_Name=Infineon, Mouser Part Number=942-IRLR2705PBF, Arrow Part Number=IRLR2705PBF, Arrow Price/Stock=https://www.arrow.com/en/products/irlr2705pbf/infineon-technologies-ag, Datasheet Link=https://www.infineon.com/dgdl/irlr2705pbf.pdf?fileId=5546d462533600a40153566cb38f2673, Height=2.52mm, Manufacturer_Part_Number=IRLR2705PBF, Mouser Price/Stock=https://www.mouser.co.uk/ProductDetail/Infineon-Technologies/IRLR2705PBF?qs=nrWyqPbesnUy1Tll%252BwV04A%3D%3D
R1 R3 R4 R6 R7 R9 R10 R16: library part CMP-1013-00316-1, "20R 0.125W 1% 0805 (2012 Metric)  SMD", Case-EIA=0805, Case-Metric=2012, Power="0.125 W", Tolerance="1 %", Technology=SMT
R2 R18 R19 R20 R23 R25 R27 R29: library part CMP-2000-06990-1, "Chip Resistor, 10 KOhm, +/- 1%, 0.1 W, -55 to 155 degC, 0603 (1608 Metric), RoHS, Tape and Reel", Manufacturer=Stackpole-Electronics-Inc., Operating Temperature=-55°C~155°C, Package / Case=0603(1608Metric), Package Description="2-Pin Surface Mount Device, Body 1.55 x 0.8 mm", Package Reference=0603, Power (Watts)=0.1W,1/10W, Resistance (Ohms)=10k, Temperature Coefficient=±100ppm/°C, Tolerance=±1%, Category=Resistors, Composition=ThickFilm, Datasheet URL=https://www.seielect.com/Catalog/SEI-RMCF_RMCP.pdf, Datasheet Version=01/2017, Family=ChipResistor-SurfaceMount, Features=AutomotiveAEC-Q200, Manufacturer URL=https://www.seielect.com/, Mounting Technology=SurfaceMount, Number of Terminations=2, Packaging=CutTape(CT), Series=RMCF, Supplier Device Package=0603
R5 R8 R11 R12: library part CMP-2000-06990-1, "Chip Resistor, 10 KOhm, +/- 1%, 0.1 W, -55 to 155 degC, 0603 (1608 Metric), RoHS, Tape and Reel", Manufacturer=Stackpole-Electronics-Inc., Operating Temperature=-55°C~155°C, Package / Case=0603(1608Metric), Package Description="2-Pin Surface Mount Device, Body 1.55 x 0.8 mm", Package Reference=0603, Power (Watts)=0.1W,1/10W, Resistance (Ohms)=4k7, Temperature Coefficient=±100ppm/°C, Tolerance=±1%, Category=Resistors, Composition=ThickFilm, Datasheet URL=https://www.seielect.com/Catalog/SEI-RMCF_RMCP.pdf, Datasheet Version=01/2017, Family=ChipResistor-SurfaceMount, Features=AutomotiveAEC-Q200, Manufacturer URL=https://www.seielect.com/, Mounting Technology=SurfaceMount, Number of Terminations=2, Packaging=CutTape(CT), Series=RMCF, Supplier Device Package=0603
R13 R14 R15 R17: library part CMP-2000-06990-1, "Chip Resistor, 10 KOhm, +/- 1%, 0.1 W, -55 to 155 degC, 0603 (1608 Metric), RoHS, Tape and Reel", Manufacturer=Stackpole-Electronics-Inc., Operating Temperature=-55°C~155°C, Package / Case=0603(1608Metric), Package Description="2-Pin Surface Mount Device, Body 1.55 x 0.8 mm", Package Reference=0603, Power (Watts)=0.1W,1/10W, Resistance (Ohms)=100, Temperature Coefficient=±100ppm/°C, Tolerance=±1%, Category=Resistors, Composition=ThickFilm, Datasheet URL=https://www.seielect.com/Catalog/SEI-RMCF_RMCP.pdf, Datasheet Version=01/2017, Family=ChipResistor-SurfaceMount, Features=AutomotiveAEC-Q200, Manufacturer URL=https://www.seielect.com/, Mounting Technology=SurfaceMount, Number of Terminations=2, Packaging=CutTape(CT), Series=RMCF, Supplier Device Package=0603
R21 R22 R24 R26 R28: library part CMP-2000-06990-1, "Chip Resistor, 10 KOhm, +/- 1%, 0.1 W, -55 to 155 degC, 0603 (1608 Metric), RoHS, Tape and Reel", Manufacturer=Stackpole-Electronics-Inc., Operating Temperature=-55°C~155°C, Package / Case=0603(1608Metric), Package Description="2-Pin Surface Mount Device, Body 1.55 x 0.8 mm", Package Reference=0603, Power (Watts)=0.1W,1/10W, Resistance (Ohms)=5k, Temperature Coefficient=±100ppm/°C, Tolerance=±1%, Category=Resistors, Composition=ThickFilm, Datasheet URL=https://www.seielect.com/Catalog/SEI-RMCF_RMCP.pdf, Datasheet Version=01/2017, Family=ChipResistor-SurfaceMount, Features=AutomotiveAEC-Q200, Manufacturer URL=https://www.seielect.com/, Mounting Technology=SurfaceMount, Number of Terminations=2, Packaging=CutTape(CT), Series=RMCF, Supplier Device Package=0603
R32: library part CMP-2000-06990-1, "Chip Resistor, 10 KOhm, +/- 1%, 0.1 W, -55 to 155 degC, 0603 (1608 Metric), RoHS, Tape and Reel", Manufacturer=Stackpole-Electronics-Inc., Operating Temperature=-55°C~155°C, Package / Case=0603(1608Metric), Package Description="2-Pin Surface Mount Device, Body 1.55 x 0.8 mm", Package Reference=0603, Power (Watts)=0.1W,1/10W, Resistance (Ohms)=1k, Temperature Coefficient=±100ppm/°C, Tolerance=±1%, Category=Resistors, Composition=ThickFilm, Datasheet URL=https://www.seielect.com/Catalog/SEI-RMCF_RMCP.pdf, Datasheet Version=01/2017, Family=ChipResistor-SurfaceMount, Features=AutomotiveAEC-Q200, Manufacturer URL=https://www.seielect.com/, Mounting Technology=SurfaceMount, Number of Terminations=2, Packaging=CutTape(CT), Series=RMCF, Supplier Device Package=0603
R33 R34 R35 R36 R37: library part CMP-1018-00002-1, "1R 1W 5% 2512 (6432 Metric)  SMD", Case-EIA=2512, Case-Metric=6432, Power="1 W", Tolerance="5 %", Technology=SMT
R38 R39 R40 R41 R42 R43 R44 R45 R46: library part CMP-2000-06990-1, "Chip Resistor, 10 KOhm, +/- 1%, 0.1 W, -55 to 155 degC, 0603 (1608 Metric), RoHS, Tape and Reel", Manufacturer=Stackpole-Electronics-Inc., Operating Temperature=-55°C~155°C, Package / Case=0603(1608Metric), Package Description="2-Pin Surface Mount Device, Body 1.55 x 0.8 mm", Package Reference=0603, Power (Watts)=0.1W,1/10W, Resistance (Ohms)=220k, Temperature Coefficient=±100ppm/°C, Tolerance=±1%, Category=Resistors, Composition=ThickFilm, Datasheet URL=https://www.seielect.com/Catalog/SEI-RMCF_RMCP.pdf, Datasheet Version=01/2017, Family=ChipResistor-SurfaceMount, Features=AutomotiveAEC-Q200, Manufacturer URL=https://www.seielect.com/, Mounting Technology=SurfaceMount, Number of Terminations=2, Packaging=CutTape(CT), Series=RMCF, Supplier Device Package=0603
Sensor_switch: library part CMP-0428-00001-1, "Toggle Switch, SPDT, Through Hole, 3 Terminals", Manufacturer="Salecom Electronics", Operating Temperature="-30 to +85 degC", PartNumber=T8019L-TNQ, ComponentLink1Description="Manufacturer URL", ComponentLink1URL=http://www.salecom.com/, ComponentLink2Description=Datasheet, ComponentLink2URL=http://www.salecom.com/pdf/toggle%20switch_T80-T.pdf, DatasheetVersion=Jul-12, Mechanical Life="50,000 cycles", Mounting Technology="Through Hole", PackageDescription="Toggle Switch, 3 Leads, Vertical Right Angle", PackageReference=T8019L
SPI TP_sig: library part CMP-0261-00002-1, "Male Header, Pitch 2.54mm, 5x1 Position, Mated Height 6mm, Tail Length 3mm", ComponentLink1Description="Manufacturer URL", ComponentLink1URL=http://www.suzhoupinchao.com/, Mounting Technology="Through Hole", PackageDescription="5-Pin Male Header IDC, 2.54 x 12.7 mm Body, 2.54 mm Pitch", PackageReference=PH2541-5-SPGRH-6-3, PartNumber=PH2541-5-SPGRH-6-3
U1: library part CMP-0784-00325-1, "Ultracompact, Precision Voltage Reference, 5 V Output, 7 to 36 V Supply, Industrial, 8-pin SOIC (R-8), Reel", Manufacturer="Analog Devices", Operating Temp Range="-40 to 125 degC", Automotive Qualified=Yes, Code_JEDEC=MS-012-AA, ComponentLink1Description="Manufacturer URL", ComponentLink1URL=http://www.analog.com/en/index.html, ComponentLink2Description=Datasheet, ComponentLink2URL=http://www.analog.com/static/imported-files/data_sheets/ADR01_02_03_06.pdf, ComponentLink3Description="Package Specification", ComponentLink3URL=http://www.analog.com/static/imported-files/packages/PKG_PDF/SOIC_Narrow%20(R)/R_8.pdf, ComponentLink4Description="URL Link1", ComponentLink4URL="Product URL:http://www.analog.com/en/special-linear-functions/voltage-references/adr02/products/product.html", DatasheetVersion="Rev. R", Max V Supply (V)=36, Min V Supply (V)=7, Mounting Technology="Surface Mount", PackageDescription="8-Pin Standard Small Outline Package, Body 4.9 x 3.9 mm, Pitch 1.27 mm", PackageReference=R-8, PackageVersion="060506-A, 06/2006", Packing=Reel, PartId=1, PartNumber=ADR02ARZ-REEL7, Ref Out TC (ppm/C)=3, Vout=5V
U2: library part CMP-0313-01966-2, "Quad 13-Bit True Bipolar Input Plus Sign Analog-to-Digital Converter with Serial, SPI Interface, Software-Selectable, 500KSPS, -40 to +85 degC, RU-16, Pb-Free, Tube", Generic Part Number=AD7323, Manufacturer="Analog Devices", Channels=4, Code_JEDEC=MO-153-AB, ComponentLink1Description="Manufacturer URL", ComponentLink1URL=http://www.analog.com/en/index.html, ComponentLink2Description=Datasheet, ComponentLink2URL=http://www.analog.com/static/imported-files/data_sheets/AD7323.pdf, ComponentLink3Description="Package Specification", ComponentLink3URL=http://www.analog.com/static/imported-files/packages/36244347913743854010197452789RU16.pdf, ComponentLink4Description="Product URL", ComponentLink4URL=http://www.analog.com/en/analog-to-digital-converters/ad-converters/ad7323/products/product.html, DatasheetVersion=Rev.A, Interface="Ser, SPI", Mounting Technology="Surface Mount", PackageDescription="16-Lead Thin Shrink Small Outline Package [TSSOP]", PackageReference=RU-16, PackageVersion=Nov-2002, Packing=Tube, PartNumber=AD7323BRUZ, Resolution (Bits)=13, RoHS=Y, Throughput Rate (SPS)=500K
U3 U8 U10: library part CMP-2000-04956-1, "Bidirectional Voltage-Level Translator for Open-Drain and Push-Pull Application, 8 bit, 1.2 to 3.6 V, -40 to 85 degC, 20-Pin TSSOP, Green (RoHS & no Sb/Br), Tape and Reel", Logic Case Style=TSSOP, Manufacturer="Texas Instruments", Operating Temperature Max=85degC, Operating Temperature Min=-40degC, Output Current=620µA, Supply Voltage Max=5.5V, Supply Voltage Min=1.2V, Datasheet URL=https://datasheet.ciiva.com/14287/txs0108e-14287280.pdf, Datasheet Version="Rev. B, 09/2008", Logic Type=VoltageLevelTranslator, Manufacturer URL=http://www.ti.com/, MSL=MSL1-Unlimited, No. of Inputs=8, No. of Pins=20, Packaging=CutTape, Propagation Delay=4.8ns, SVHC=NoSVHC(16-Jun-2014)
U4 U9 U13 U15: library part CMP-1671-00001-2, "IC DRIVER HIGH/LOW SIDE 8SOIC", Manufacturer="International Rectifier", PartNumber=IR2181STRPBF, ComponentLink1Description=Datasheet, ComponentLink1URL=http://www.infineon.com/dgdl/ir2181.pdf?fileId=5546d462533600a4015355c93cdd16ce, PackageReference=SOIC-8
U5 U6 U11 U12: library part CMP-0777-00059-2, "Quadruple 2-Input Positive-AND Gates, D0014A, LARGE T&R", F @ Nom Voltage(Max)(Mhz)=100, Generic Part Number=SN74AC08, ICC @ Nom Voltage(Max)(mA)=0.02, Manufacturer="Texas Instruments", Operating Temperature Range(C)="-40 to 85", Rating=Catalog, tpd @ Nom Voltage(Max)(ns)=10,8.5, Voltage(Nom)(V)=3.3,5, Bits(#)=4, ComponentLink1Description="Manufacturer URL", ComponentLink1URL=http://www.ti.com/, ComponentLink2Description=Datasheet, ComponentLink2URL=http://www.ti.com/lit/ds/symlink/sn74ac08.pdf, DatasheetVersion=SCAS536D, Input Type=CMOS, Output Drive (IOL/IOH)(Max)(mA)=-24/24, Output Type=CMOS, PackageReference=D0014A, PartId=1, PartNumber=SN74AC08DR, Schmitt Trigger=No, Technology Family=AC, VCC(Max)(V)=6, VCC(Min)(V)=2
U7: library part CMP-0778-00016-3, "Quadruple 2-Input Exclusive-OR Gates, D0014A, LARGE T&R", F @ Nom Voltage(Max)(Mhz)=100, Generic Part Number=SN74AC86, ICC @ Nom Voltage(Max)(mA)=0.02, Manufacturer="Texas Instruments", Operating Temperature Range(C)="-40 to 85", Rating=Catalog, tpd @ Nom Voltage(Max)(ns)=12.5,9, Voltage(Nom)(V)=3.3,5, Bits(#)=4, DatasheetVersion=SCAS533C, Input Type=CMOS, Output Drive (IOL/IOH)(Max)(mA)=24/-24, Output Type=CMOS, PackageReference=D0014A, PartId=1, Schmitt Trigger=No, Technology Family=AC, VCC(Max)(V)=5.5, VCC(Min)(V)=2
U14: library part CMP-0055-00763-3, "Low Power Low Offset Voltage Quad Comparator, 14-pin Narrow SOIC, Pb-Free", Manufacturer="Texas Instruments", Package Reference=D0014A, PackageTopMarking=NSUZXYTTE#*LM339M, PowerWise=N, Code_IPC=SOIC127P600-14, Code_JEDEC=MS-012AB, ComponentLink1Description="Datasheet URL", ComponentLink1URL=http://www.ti.com/general/docs/lit/getliterature.tsp?genericPartNumber=LM339-N&fileType=pdf, CompType=Amplifiers, PackageDescription="Molded Package S.O., .150in Wide, 14 Lead", PartId=1, PinCount=14, RoHS=Y
U16: library part CMP-2000-04989-1, "Linear Current Sensor, 4.5 to 5.5 V, 10 mA Output Current, -40 to 85 degC, 8-Pin SOIC (LC), RoHS, Tape and Reel", Manufacturer="Allegro Microsystems", Operating Temperature Max=85degC, Operating Temperature Min=-40degC, Operating Temperature Range=-40degCto+85degC, Package Description="8-Pin Small Outline Integrated Circuit, Body 4.9 x 3.9 mm, Pitch 1.27 mm", Package Reference=LC-8, Quiescent Current=8mA, Sensor Case Style=SOIC, Supply Voltage Max=5.5V, Supply Voltage Min=4.5V, Supply Voltage Range=4.5Vto5.5V, Accuracy=1.5%, Bandwidth=50kHz, Datasheet URL=http://www.allegromicro.com/~/media/Files/Datasheets/ACS712-Datasheet.ashx?la=en, Datasheet Version="Rev. 15, 11/2012", Manufacturer URL=http://www.allegromicro.com/, MSL=MSL2-1year, No. of Pins=8, Polarisation=Unipolar, Sensor / Transducer Type=Current, SVHC=NoSVHC(19-Dec-2012), Termination Type=SMD
U17: library part INA169
U18: library part CMP-0244-00181-1, "Positive Voltage Regulator, 3-Pin D2PAK, Tape and Reel", ComponentLink1Description="Manufacturer URL", ComponentLink1URL=http://www.st.com, ComponentLink2Description=Datasheet, ComponentLink2URL=http://www.st.com/internet/com/TECHNICAL_RESOURCES/TECHNICAL_LITERATURE/DATASHEET/CD00000444.pdf, DatasheetVersion=16/11/2011, PackageDescription="3-Pin Transistor Outline Package 2.54 mm Pitch, 15.4 mm Lead Span (D2PAK)", PackageReference=TO-263, PackageVersion=2011
U19: library part CMP-0069-00668-1, "SIMPLE SWITCHER® Power Converter High Efficiency 1A Step-Down Voltage Regulator with Features, 8-pin Narrow SOIC, Pb-Free", Manufacturer="National Semiconductor", PackageTopMarking=NSZXTT*2672*M5.0, PowerWise=N, Code_IPC=SOIC127P600-8, Code_JEDEC=MS-012-AA, CompType=Switcher, DatasheetVersion=Apr-2007, PackageDescription="SOIC Narrow, 4.9 x 3.9 x 1.45mm, 8 Lead, 1.27mm Pitch", PackageReference=M08A, PackageVersion="revM, May-2009", PinCount=8, RoHS=Y

## Free pads (board coordinates)
  round 6 hole 3.2: ""(13.97,15.113) ""(14,94.361) ""(104,15) ""(104,93.599)

## Via types
v1: diameter 0.45, hole 0.2, Top Layer to Bottom Layer, tented both sides, 341 vias
v2: diameter 2, hole 0.2, Top Layer to Bottom Layer, tented both sides, 1 vias